# Altium PCB 控制盒基板.PcbDoc (part 8 of 8)
Units mil, origin at the board's own origin, x right, y up, seen from the top; angles counter-clockwise.
Board outline 12046.02 x 6189.14 mil, 4 copper layers (Top Layer, SGND, POWER, Bottom Layer); 368 components, 219 nets, 1110 pads, 351 vias.
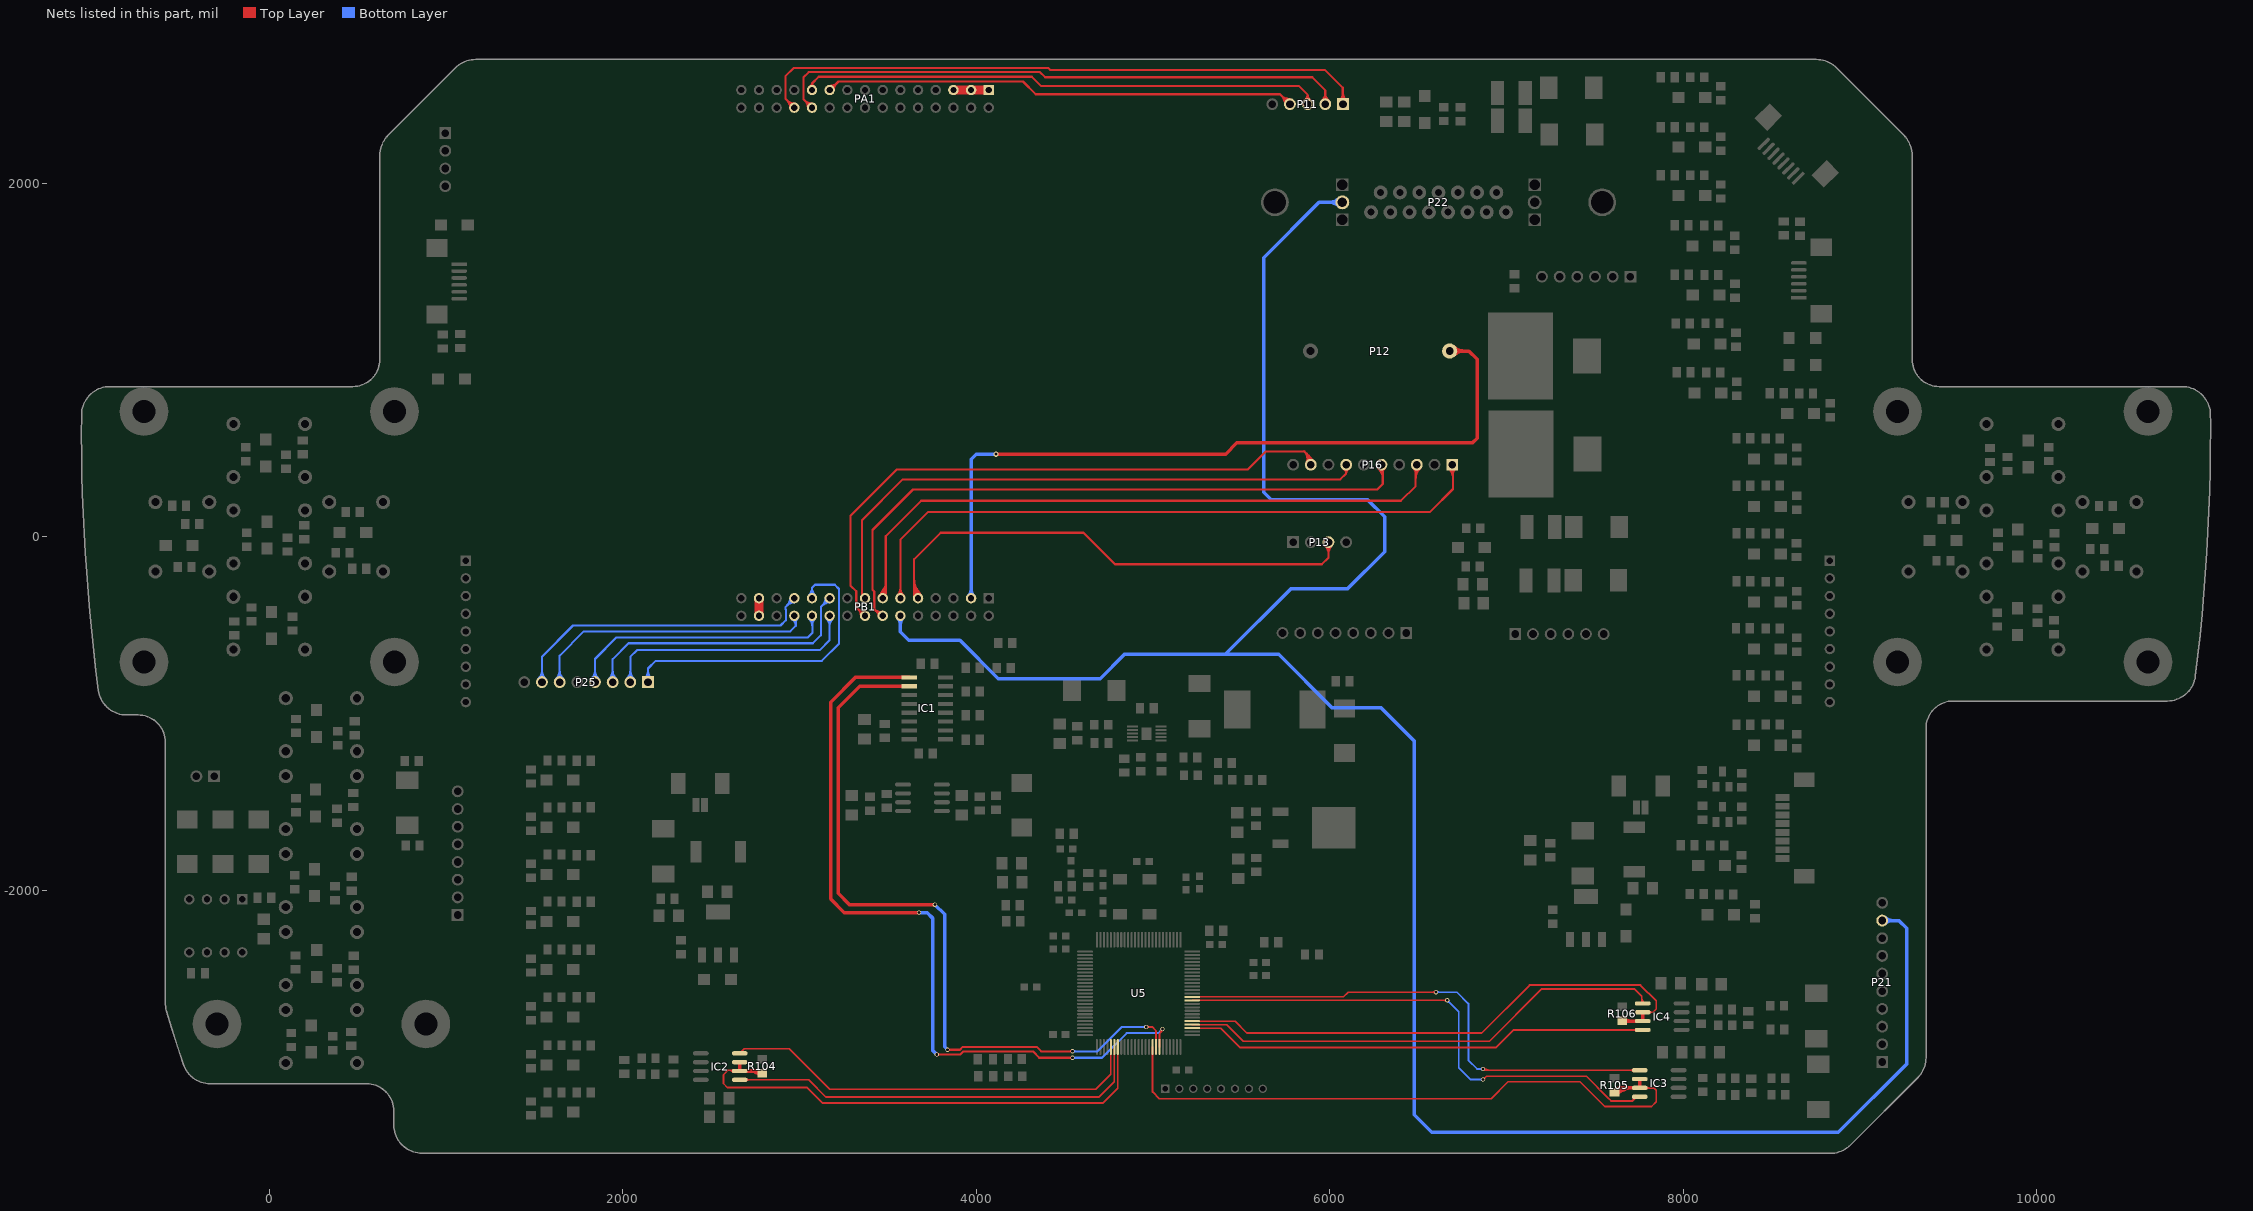
[diagram p10: the nets of this part, all layers, seen from the top]

## Via types
v1: diameter 30, hole 16, Top Layer to Bottom Layer, tented both sides, 209 vias
v2: diameter 24, hole 16, Top Layer to Bottom Layer, tented both sides, 75 vias
v3: diameter 30, hole 18, Top Layer to Bottom Layer, tented both sides, 57 vias
v4: diameter 28, hole 18, Top Layer to Bottom Layer, tented both sides, 10 vias

## Nets (pads, with @x,y where several pads share a name; then routed paths per layer and width w, separated by ;. In a path a pad name is that pad's centre, name@x,y a point inside that pad or via, vN(x,y) a via of type N, cw(c..) or ccw(c..) an arc to the next point about the centre after c; other vN are vias at no path point) (continued)
TV_OUT1: P21.9 P22.18 PB1.12 | length 13925
  Bottom Layer w20: PB1.12@3571,-447 3571,-537 3619,-585 3908,-585 4125,-802 4702,-802 4839,-665 5409,-665 ; P22.18@6071.57,1892.66 5939.66,1892.66 5626,1579 5626,253 5669,210 6214,210 6311,113 6311,-84 6100,-295 5779,-295 5409,-665 ; P21.9@9126,-2171 9220,-2171 9264,-2215 9264,-2983 8878,-3369 6578,-3369 6478,-3269 6478,-1155 6289,-966 6012,-966 5711,-665 5409,-665 ; 3571,-494.14 ccw(c3523.86,-494.14) 3557.19,-460.81 cw(c3523.86,-494.14) 3571,-494.14 ; 3571,-494.14 cw(c3618.14,-494.14) 3584.81,-460.81 ccw(c3618.14,-494.14) 3571,-494.14 ; 6000.66,1892.66 ccw(c6000.66,1963.57) 6050.8,1913.43 cw(c6000.66,1963.57) 6000.66,1892.66 ; 6000.66,1892.66 cw(c6000.66,1821.76) 6050.8,1871.89 ccw(c6000.66,1821.76) 6000.66,1892.66 ; 9182.65,-2171 ccw(c9182.65,-2227.65) 9142.59,-2187.59 cw(c9182.65,-2227.65) 9182.65,-2171 ; 9182.65,-2171 cw(c9182.65,-2114.35) 9142.59,-2154.41 ccw(c9182.65,-2114.35) 9182.65,-2171
TV_OUT2: P13.3 PB1.9 | length 3950.1
  Top Layer w12: PB1.9@3650.46,-335.52 ccw(c3642.77,-331.23) 3649,-325 ; PB1.9@3651.04,-334.55 ccw(c3634.05,-323.95) 3651.39,-313.95 ccw(c3668.07,-304.32) PB1.9@3669.39,-323.53 ; PB1.9@3652.88,-331.99 ccw(c3630.06,-313.09) 3655.72,-298.27 ; PB1.9@3657.47,-327.75 ccw(c3643.39,-307.72) 3663.84,-294.25 ; PB1.9@3659.52,-326.46 cw(c3655.23,-318.77) 3649,-325 ; PB1.9@3662.12,-339.65 ccw(c3644.23,-324.83) 3664.35,-313.21 ; PB1.9@3664.37,-337.57 ccw(c3650.51,-317.84) 3670.64,-304.57 ; 3665.68,-315.52 ccw(c3681.95,-306.13) PB1.9@3677.09,-324.27 ; PB1.9@3671,-347 3649,-325 ; PB1.9@3671.27,-347.39 ccw(c3657.62,-327.96) 3677.45,-314.9 ; P13.3@5992.87,-30 5992.87,-118.13 5956,-155 4785,-155 4607,23 3799,23 3649,-127 3649,-325 ; 5992.87,-96.31 ccw(c5926.57,-96.31) 5973.45,-49.42 cw(c5926.57,-96.31) 5992.87,-96.31 ; 5992.87,-96.31 cw(c6059.18,-96.31) 6012.29,-49.42 ccw(c6059.18,-96.31) 5992.87,-96.31 ; 5992.87,-67.33 ccw(c5955.54,-67.33) 5981.94,-40.94 cw(c5955.54,-67.33) 5992.87,-67.33 ; 5992.87,-67.33 cw(c6030.21,-67.33) 6003.81,-40.94 ccw(c6030.21,-67.33) 5992.87,-67.33 ; 3649,-324 ccw(c3694,-324) 3662.18,-355.82 cw(c3694,-324) 3649,-324 ; 3649,-295.03 ccw(c3722.97,-295.03) 3670.67,-347.33 cw(c3722.97,-295.03) 3649,-295.03 ; 3649,-266.06 ccw(c3751.94,-266.06) 3679.15,-338.85 cw(c3751.94,-266.06) 3649,-266.06 ; 3649,-237.09 ccw(c3780.92,-237.09) 3687.64,-330.36 cw(c3780.92,-237.09) 3649,-237.09
UART1_R: IC1.9 U5.69 | length 4682
  Top Layer w10: U5.69@5037.11,-2886.15 5037.11,-2810.89 ; v2@5047.01,-2785.33 cw(c5013.13,-2786.91) 5037.11,-2810.89 ; v2(5054,-2785) 5054,-2794 5037.11,-2810.89
  Top Layer w12: v2(3777,-2929) 3909.28,-2929 3926.28,-2912 4322,-2912 4357,-2947 v2(4545,-2947) ; 3791.49,-2929 ccw(c3791.49,-2943.49) 3781.24,-2933.24 cw(c3791.49,-2943.49) 3791.49,-2929 ; 3791.49,-2929 cw(c3791.49,-2914.51) 3781.24,-2924.76 ccw(c3791.49,-2914.51) 3791.49,-2929 ; 4530.51,-2947 ccw(c4530.51,-2932.51) 4540.76,-2942.76 cw(c4530.51,-2932.51) 4530.51,-2947 ; 4530.51,-2947 cw(c4530.51,-2961.49) 4540.76,-2951.24 ccw(c4530.51,-2961.49) 4530.51,-2947
  Top Layer w20: IC1.9@3621.64,-795 3317,-795 3176,-936 3176,-2049 3253,-2126 3634,-2126 v2(3677,-2126)
  Bottom Layer w12: v2(4545,-2947) 4712,-2947 4851,-2808 5031,-2808 v2(5054,-2785) ; v2@5048,-2785 cw(c5033.51,-2785) 5043.76,-2795.24 cw(c5054,-2805.49) v2@5054,-2791 ; 4559.49,-2947 ccw(c4559.49,-2961.49) 4549.24,-2951.24 cw(c4559.49,-2961.49) 4559.49,-2947 ; 4559.49,-2947 cw(c4559.49,-2932.51) 4549.24,-2942.76 ccw(c4559.49,-2932.51) 4559.49,-2947
  Bottom Layer w20: v2(3677,-2126) 3722,-2126 3753,-2157 3753,-2905 v2(3777,-2929)
UART1_T: IC1.10 U5.68 | length 4517.6
  Top Layer w10: v2@4961,-2772 v2(4962,-2773) 4995,-2773 5017.42,-2795.42 U5.68@5017.42,-2886.15 ; 4978.9,-2773 ccw(c4978.9,-2789.9) 4966.95,-2777.95 cw(c4978.9,-2789.9) 4978.9,-2773 ; 4978.9,-2773 cw(c4978.9,-2756.1) 4966.95,-2768.05 ccw(c4978.9,-2756.1) 4978.9,-2773
  Top Layer w12: v2(3837,-2902) 3908,-2902 3924,-2886 4342,-2886 4367,-2911 v2(4545,-2911) ; 3851.49,-2902 ccw(c3851.49,-2916.49) 3841.24,-2906.24 cw(c3851.49,-2916.49) 3851.49,-2902 ; 3851.49,-2902 cw(c3851.49,-2887.51) 3841.24,-2897.76 ccw(c3851.49,-2887.51) 3851.49,-2902 ; 4530.51,-2911 ccw(c4530.51,-2896.51) 4540.76,-2906.76 cw(c4530.51,-2896.51) 4530.51,-2911 ; 4530.51,-2911 cw(c4530.51,-2925.49) 4540.76,-2915.24 ccw(c4530.51,-2925.49) 4530.51,-2911
  Top Layer w20: IC1.10@3621.64,-845 3342,-845 3219,-968 3219,-2017 3283,-2081 v2(3766,-2081)
  Bottom Layer w12: v2(4545,-2911) 4686,-2911 4824,-2773 v2(4962,-2773) ; 4559.49,-2911 ccw(c4559.49,-2925.49) 4549.24,-2915.24 cw(c4559.49,-2925.49) 4559.49,-2911 ; 4559.49,-2911 cw(c4559.49,-2896.51) 4549.24,-2906.76 ccw(c4559.49,-2896.51) 4559.49,-2911 ; 4947.51,-2773 ccw(c4947.51,-2758.51) 4957.76,-2768.76 cw(c4947.51,-2758.51) 4947.51,-2773 ; 4947.51,-2773 cw(c4947.51,-2787.49) 4957.76,-2777.24 ccw(c4947.51,-2787.49) 4947.51,-2773
  Bottom Layer w20: v2(3766,-2081) 3821,-2136 3821,-2886 v2(3837,-2902)
UART2_E: IC2.2 IC2.3 R104.1 U5.57 | length 3088.7
  Top Layer w10: 2613.29,-3021.03 ccw(c2616.91,-3014.75) IC2.2@2623.06,-3018.59 ; IC2.2@2662,-3022.29 2657.71,-3018 2595,-3018 2570,-3043 2570,-3093 2593,-3116 3012,-3116 3043,-3116 3131,-3204 4717,-3204 4800.89,-3120.11 U5.57@4800.89,-2886.15 ; 2601.74,-3018 cw(c2601.74,-3049.55) 2624.05,-3027.24 ccw(c2601.74,-3049.55) 2601.74,-3018
  Top Layer w20: IC2.3@2662,-2972.29 IC2.2@2662,-3022.29 2777.96,-3022.29 R104.1@2790.04,-3034.37 ; 2749.82,-3028.62 ccw(c2760.68,-3009.79) R104.1@2776.31,-3024.9 ; 2724.05,-3022.29 cw(c2724.05,-3096.42) 2776.47,-3044 ccw(c2724.05,-3096.42) 2724.05,-3022.29
UART2_R: IC2.1 U5.56 | length 2445.5
  Top Layer w10: IC2.1@2662,-3072.29 3052.29,-3072.29 3150,-3170 4694,-3170 4781.2,-3082.8 U5.56@4781.2,-2886.15 ; 2711.9,-3072.29 ccw(c2711.9,-3089.19) 2699.95,-3077.24 cw(c2711.9,-3089.19) 2711.9,-3072.29 ; 2711.9,-3072.29 cw(c2711.9,-3055.39) 2699.95,-3067.34 ccw(c2711.9,-3055.39) 2711.9,-3072.29
UART2_T: IC2.4 U5.55 | length 2395.2
  Top Layer w10: IC2.4@2662,-2922.29 2688,-2896.29 2688.71,-2897 2942,-2897 3171,-3126 4676,-3126 4761.52,-3040.48 U5.55@4761.52,-2886.15
UART3_E: IC3.2 IC3.3 R105.1 U5.67 | length 4109.4
  Top Layer w10: U5.67@4997.74,-2886.15 4997.74,-3140.74 5036,-3179 6913,-3179 7009,-3083 7416,-3083 7556,-3223 7821,-3223 7847,-3197 7847,-3131 7833.71,-3117.71 IC3.3@7754.04,-3117.71 ; 7803.94,-3117.71 ccw(c7803.94,-3134.61) 7791.99,-3122.66 cw(c7803.94,-3134.61) 7803.94,-3117.71 ; 7803.94,-3117.71 cw(c7803.94,-3100.81) 7791.99,-3112.76 ccw(c7803.94,-3100.81) 7803.94,-3117.71
  Top Layer w20: R105.1@7612,-3142.37 7636.66,-3117.71 ; R105.1@7620.75,-3129.63 ccw(c7641.76,-3074.02) 7671.48,-3125.5 ; R105.1@7629.52,-3143.42 cw(c7661.27,-3145.86) 7645.35,-3118.28 ; IC3.2@7754.04,-3067.71 IC3.3@7754.04,-3117.71 7636.66,-3117.71 ; 7636.66,-3117.71 ccw(c7655.03,-3136.07) 7629.39,-3140.2 cw(c7655.03,-3136.07) 7636.66,-3117.71 ; R105.1@7611.43,-3137.86 cw(c7660.08,-3186.51) 7660.08,-3117.71 ccw(c7660.08,-3186.51) R105.1@7611.43,-3137.86 ; R105.1@7615.94,-3128.75 ccw(c7615.94,-3105.37) 7632.47,-3121.9 cw(c7615.94,-3105.37) R105.1@7615.94,-3128.75 ; R105.1@7625.57,-3152 cw(c7708.36,-3234.8) 7708.36,-3117.71 ccw(c7708.36,-3234.8) R105.1@7625.57,-3152
UART3_R: IC3.1 U5.87 | length 3204.5
  Top Layer w10: U5.87@5222.15,-2602.68 6078.32,-2602.68 6104.93,-2576.07 v2(6601,-2576.07) ; v2(6868,-3011) 6874.71,-3017.71 IC3.1@7754.04,-3017.71 ; v2@6872.8,-3016.1 cw(c6881.25,-3025.08) 6887.41,-3014.4 ; 6584.1,-2576.07 ccw(c6584.1,-2559.17) 6596.05,-2571.12 cw(c6584.1,-2559.17) 6584.1,-2576.07 ; 6584.1,-2576.07 cw(c6584.1,-2592.97) 6596.05,-2581.02 ccw(c6584.1,-2592.97) 6584.1,-2576.07 ; 7704.14,-3017.71 ccw(c7704.14,-3000.81) 7716.09,-3012.76 cw(c7704.14,-3000.81) 7704.14,-3017.71 ; 7704.14,-3017.71 cw(c7704.14,-3034.61) 7716.09,-3022.66 ccw(c7704.14,-3034.61) 7704.14,-3017.71 ; v2@6872.95,-3006.05 ccw(c6901.09,-2977.9) 6901.09,-3017.71 cw(c6901.09,-2977.9) v2@6872.95,-3006.05
  Bottom Layer w10: v2(6601,-2576.07) 6720.07,-2576.07 6785,-2641 6785,-2962 6834,-3011 v2(6868,-3011) ; 6617.9,-2576.07 ccw(c6617.9,-2592.97) 6605.95,-2581.02 cw(c6617.9,-2592.97) 6617.9,-2576.07 ; 6617.9,-2576.07 cw(c6617.9,-2559.17) 6605.95,-2571.12 ccw(c6617.9,-2559.17) 6617.9,-2576.07 ; 6851.1,-3011 ccw(c6851.1,-2994.1) 6863.05,-3006.05 cw(c6851.1,-2994.1) 6851.1,-3011 ; 6851.1,-3011 cw(c6851.1,-3027.9) 6863.05,-3015.95 ccw(c6851.1,-3027.9) 6851.1,-3011
UART3_T: IC3.4 U5.86 | length 3229
  Top Layer w10: U5.86@5222.15,-2622.37 v2(6664.63,-2622.37) ; v2(6868,-3071) 6887,-3052 7453,-3052 7571.44,-3170.44 7571.44,-3171.38 7592.06,-3192 7713,-3192 ; v2@6868,-3064 ccw(c6868,-3047.1) 6879.95,-3059.05 ccw(c6891.9,-3071) v2@6875,-3071 ; IC3.4@7715.16,-3171.51 cw(c7701.42,-3180.42) 7713,-3192 ; 7721.74,-3183.26 ccw(c7712.03,-3173.55) IC3.4@7723.56,-3166.08 ; IC3.4@7730.48,-3174.52 ccw(c7722.64,-3166.67) IC3.4@7731.95,-3160.64 ; IC3.4@7754.04,-3173.96 IC3.4@7754.04,-3167.71 7737.29,-3167.71 7713,-3192 ; 6647.73,-2622.37 ccw(c6647.73,-2605.47) 6659.68,-2617.42 cw(c6647.73,-2605.47) 6647.73,-2622.37 ; 6647.73,-2622.37 cw(c6647.73,-2639.27) 6659.68,-2627.32 ccw(c6647.73,-2639.27) 6647.73,-2622.37
  Bottom Layer w10: v2(6664.63,-2622.37) 6730,-2687.74 6730,-3005 6797,-3072 6798,-3071 v2(6868,-3071) ; 6676.58,-2634.32 ccw(c6664.63,-2646.27) 6664.63,-2629.37 cw(c6664.63,-2646.27) 6676.58,-2634.32 ; 6676.58,-2634.32 cw(c6688.53,-2622.37) 6671.63,-2622.37 ccw(c6688.53,-2622.37) 6676.58,-2634.32 ; 6851.1,-3071 ccw(c6851.1,-3054.1) 6863.05,-3066.05 cw(c6851.1,-3054.1) 6851.1,-3071 ; 6851.1,-3071 cw(c6851.1,-3087.9) 6863.05,-3075.95 ccw(c6851.1,-3087.9) 6851.1,-3071
UART4_E: IC4.2 IC4.3 R106.1 U5.80 | length 3255.9
  Top Layer w10: U5.80@5222.15,-2740.48 5223.08,-2741.41 5465.41,-2741.41 5532,-2808 6859,-2808 7131,-2536 7758,-2536 7847,-2625 7847,-2671.71 7829,-2689.71 IC4.2@7771.04,-2689.71 ; 7820.94,-2689.71 ccw(c7820.94,-2706.61) 7808.99,-2694.66 cw(c7820.94,-2706.61) 7820.94,-2689.71 ; 7820.94,-2689.71 cw(c7820.94,-2672.81) 7808.99,-2684.76 ccw(c7820.94,-2672.81) 7820.94,-2689.71
  Top Layer w20: R106.1@7655,-2737.37 7657.34,-2739.71 IC4.3@7771.04,-2739.71 IC4.2@7771.04,-2689.71 ; R106.1@7668.57,-2747 cw(c7686.18,-2764.61) 7686.18,-2739.71 ccw(c7686.18,-2764.61) R106.1@7668.57,-2747 ; R106.1@7668.57,-2727.74 ccw(c7697.47,-2698.84) 7697.47,-2739.71 cw(c7697.47,-2698.84) R106.1@7668.57,-2727.74
UART4_R: IC4.1 U5.79 | length 2831.8
  Top Layer w10: U5.79@5222.98,-2761 U5.79@5222.15,-2760.16 5417.16,-2760.16 5511,-2854 6904,-2854 7200,-2558 7724,-2558 7766,-2600 7766,-2634.67 IC4.1@7771.04,-2639.71 ; IC4.1@7766.82,-2634.12 ccw(c7761.6,-2627.19) 7769.11,-2622.85 ; 7766,-2610.64 ccw(c7800.1,-2610.64) 7775.99,-2634.76 cw(c7800.1,-2610.64) 7766,-2610.64
UART4_T: IC4.4 U5.78 | length 2690.5
  Top Layer w10: U5.78@5223.08,-2780.78 U5.78@5222.15,-2779.85 5383.85,-2779.85 5494,-2890 6940,-2890 7040.29,-2789.71 IC4.4@7771.04,-2789.71 ; 7721.14,-2789.71 ccw(c7721.14,-2772.81) 7733.09,-2784.76 cw(c7721.14,-2772.81) 7721.14,-2789.71 ; 7721.14,-2789.71 cw(c7721.14,-2806.61) 7733.09,-2794.66 ccw(c7721.14,-2806.61) 7721.14,-2789.71
USB_0_DM: P25.2 PB1.20 | length 2001.1
  Bottom Layer w12: P25.2@2043,-822 2043,-679 2081,-641 3115,-641 3170,-586 3170,-448 PB1.20@3171,-447 ; 2043,-784.67 ccw(c2080.34,-784.67) 2053.94,-811.07 cw(c2080.34,-784.67) 2043,-784.67 ; 2043,-784.67 cw(c2005.67,-784.67) 2032.07,-811.07 ccw(c2005.67,-784.67) 2043,-784.67 ; 2043,-755.7 ccw(c2109.31,-755.7) 2062.42,-802.58 cw(c2109.31,-755.7) 2043,-755.7 ; 2043,-755.7 cw(c1976.7,-755.7) 2023.58,-802.58 ccw(c1976.7,-755.7) 2043,-755.7 ; PB1.20@3154.36,-463.64 cw(c3116.62,-501.39) 3170,-501.39 ccw(c3116.62,-501.39) PB1.20@3154.36,-463.64 ; 3170,-506.22 cw(c3230.22,-506.22) 3187.64,-463.64 ccw(c3230.22,-506.22) 3170,-506.22 ; 3170,-477.25 cw(c3201.25,-477.25) 3179.15,-455.15 ccw(c3201.25,-477.25) 3170,-477.25
USB_0_DP: P25.3 PB1.19 | length 2188.9
  Bottom Layer w12: P25.3@1943,-822 1943,-692 2033,-602 3076,-602 3121,-557 3121,-397 PB1.19@3171,-347 ; 3139.73,-375.9 cw(c3179.08,-386.45) PB1.19@3170.91,-346.54 ; 3142.1,-378.27 ccw(c3131.55,-338.92) PB1.19@3171.46,-347.1 ; 1943,-784.67 ccw(c1980.34,-784.67) 1953.94,-811.07 cw(c1980.34,-784.67) 1943,-784.67 ; 1943,-784.67 cw(c1905.67,-784.67) 1932.07,-811.07 ccw(c1905.67,-784.67) 1943,-784.67 ; 1943,-755.7 ccw(c2009.31,-755.7) 1962.42,-802.58 cw(c2009.31,-755.7) 1943,-755.7 ; 1943,-755.7 cw(c1876.7,-755.7) 1923.58,-802.58 ccw(c1876.7,-755.7) 1943,-755.7 ; 3130.84,-387.16 ccw(c3090.67,-347) 3147.47,-347 cw(c3090.67,-347) 3130.84,-387.16 ; 3130.84,-387.16 cw(c3171,-427.33) 3171,-370.53 ccw(c3171,-427.33) 3130.84,-387.16
USB_0_ID: P25.4 PB1.22 | length 2078.2
  Bottom Layer w12: P25.4@1843,-822 1843,-691 1965,-569 3048,-569 3073,-544 3073,-449 PB1.22@3071,-447 ; 1843,-784.67 ccw(c1880.34,-784.67) 1853.94,-811.07 cw(c1880.34,-784.67) 1843,-784.67 ; 1843,-784.67 cw(c1805.67,-784.67) 1832.07,-811.07 ccw(c1805.67,-784.67) 1843,-784.67 ; 1843,-755.7 ccw(c1909.31,-755.7) 1862.42,-802.58 cw(c1909.31,-755.7) 1843,-755.7 ; 1843,-755.7 cw(c1776.7,-755.7) 1823.58,-802.58 ccw(c1776.7,-755.7) 1843,-755.7 ; PB1.22@3054.36,-463.64 cw(c3009.37,-508.63) 3073,-508.63 ccw(c3009.37,-508.63) PB1.22@3054.36,-463.64 ; PB1.22@3062.85,-455.15 cw(c3038.34,-479.66) 3073,-479.66 ccw(c3038.34,-479.66) PB1.22@3062.85,-455.15 ; 3073,-498.97 cw(c3122.97,-498.97) 3087.64,-463.64 ccw(c3122.97,-498.97) 3073,-498.97
USB_0_VBUS: P25.1 PB1.21 | length 2259
  Bottom Layer w12: P25.1@2143,-822 2143,-745 2186,-702 3127,-702 3224,-605 3224,-375 3224,-295 3200,-271 3182,-271 3088,-271 3071,-288 PB1.21@3071,-347 ; 2143,-784.67 ccw(c2180.34,-784.67) 2153.94,-811.07 cw(c2180.34,-784.67) 2143,-784.67 ; 2143,-784.67 cw(c2105.67,-784.67) 2132.07,-811.07 ccw(c2105.67,-784.67) 2143,-784.67 ; 2143,-755.7 ccw(c2209.31,-755.7) 2162.42,-802.58 cw(c2209.31,-755.7) 2143,-755.7 ; 2143,-755.7 cw(c2076.7,-755.7) 2123.58,-802.58 ccw(c2076.7,-755.7) 2143,-755.7 ; 3071,-290.2 ccw(c3127.8,-290.2) 3087.64,-330.36 cw(c3127.8,-290.2) 3071,-290.2 ; 3071,-290.2 cw(c3014.2,-290.2) 3054.36,-330.36 ccw(c3014.2,-290.2) 3071,-290.2
USB_1_DM: P25.6 PB1.24 | length 2146.3
  Bottom Layer w12: P25.6@1643,-822 1643,-672 1780,-535 2948,-535 2979,-504 2979,-455 PB1.24@2971,-447 PB1.24@2966,-452 ; 1643,-784.67 ccw(c1680.34,-784.67) 1653.94,-811.07 cw(c1680.34,-784.67) 1643,-784.67 ; 1643,-784.67 cw(c1605.67,-784.67) 1632.07,-811.07 ccw(c1605.67,-784.67) 1643,-784.67 ; 1643,-755.7 ccw(c1709.31,-755.7) 1662.42,-802.58 cw(c1709.31,-755.7) 1643,-755.7 ; 1643,-755.7 cw(c1576.7,-755.7) 1623.58,-802.58 ccw(c1576.7,-755.7) 1643,-755.7 ; PB1.24@2958.33,-466.83 cw(c2934.23,-504.56) 2979,-504.56 ccw(c2934.23,-504.56) PB1.24@2958.33,-466.83 ; PB1.24@2964.79,-456.71 cw(c2948.22,-482.65) 2979,-482.65 ccw(c2948.22,-482.65) PB1.24@2964.79,-456.71 ; 2979,-484.49 cw(c3008.49,-484.49) 2987.64,-463.64 ccw(c3008.49,-484.49) 2979,-484.49
USB_1_DP: P25.7 PB1.23 | length 2349.3
  Bottom Layer w12: P25.7@1543,-822 1543,-678 1719,-502 2893,-502 2923,-472 2923,-457 2923,-412 2922,-411 2922,-396 PB1.23@2971,-347 ; 2939.73,-375.9 cw(c2979.08,-386.45) PB1.23@2970.91,-346.54 ; 2942.1,-378.27 ccw(c2931.55,-338.92) PB1.23@2971.46,-347.1 ; 1543,-784.67 ccw(c1580.34,-784.67) 1553.94,-811.07 cw(c1580.34,-784.67) 1543,-784.67 ; 1543,-784.67 cw(c1505.67,-784.67) 1532.07,-811.07 ccw(c1505.67,-784.67) 1543,-784.67 ; 1543,-755.7 ccw(c1609.31,-755.7) 1562.42,-802.58 cw(c1609.31,-755.7) 1543,-755.7 ; 1543,-755.7 cw(c1476.7,-755.7) 1523.58,-802.58 ccw(c1476.7,-755.7) 1543,-755.7 ; 2930.84,-387.16 ccw(c2890.67,-347) 2947.47,-347 cw(c2890.67,-347) 2930.84,-387.16 ; 2930.84,-387.16 cw(c2971,-427.33) 2971,-370.53 ccw(c2971,-427.33) 2930.84,-387.16
VBAT: P12.1 PB1.3 | length 4723.2
  Top Layer w20: v1(4112,468) 5411,468 5475,532 6808,532 6834,558 6834,1005 6788,1051 P12.1@6678.7,1051 ; 6759.11,1051 ccw(c6759.11,970.59) 6702.25,1027.45 cw(c6759.11,970.59) 6759.11,1051 ; 6759.11,1051 cw(c6759.11,1131.41) 6702.25,1074.55 ccw(c6759.11,1131.41) 6759.11,1051
  Bottom Layer w20: PB1.3@3971,-347 3971,439 4000,468 v1(4112,468) v1@4114,470 ; 3971,-299.86 ccw(c4018.14,-299.86) 3984.81,-333.19 cw(c4018.14,-299.86) 3971,-299.86 ; 3971,-299.86 cw(c3923.86,-299.86) 3957.19,-333.19 ccw(c3923.86,-299.86) 3971,-299.86
VCC_3V3: PA1.1 PA1.3 PA1.5 | length 200
  Top Layer w50: PA1.5@3871,2528 PA1.3@3971,2528 PA1.1@4071,2528
VCC_5V0: PB1.27 PB1.28 | length 100
  Top Layer w50: PB1.28@2771,-447 PB1.27@2771,-347
VGA_B: P16.5 PB1.14 | length 4158.3
  Top Layer w12: 3428.5,-415.5 ccw(c3453.85,-390.15) PB1.14@3464.21,-424.48 ; 3439.29,-426.29 ccw(c3463.12,-402.46) PB1.14@3468.99,-435.65 ; 3442.68,-429.68 ccw(c3460.43,-411.94) PB1.14@3467.67,-435.96 ; 3445.55,-425.06 cw(c3447.03,-472.51) PB1.14@3479.54,-437.91 ; PB1.14@3466.9,-423.83 cw(c3458.23,-374.77) 3423,-410 ; PB1.14@3471,-447 3460,-447 3423,-410 ; P16.5@6293,408 6300,401 6300,299 6269,268 3642,268 3413,39 3413,-243 3413,-299 3423,-309 3423,-410 ; 3438.61,-425.61 cw(c3417.23,-447) 3447.47,-447 ccw(c3417.23,-447) 3438.61,-425.61 ; P16.5@6273.58,388.58 cw(c6209.8,324.8) 6300,324.8 ccw(c6209.8,324.8) P16.5@6273.58,388.58 ; P16.5@6282.07,397.06 cw(c6238.77,353.77) 6300,353.77 ccw(c6238.77,353.77) P16.5@6282.07,397.06 ; 6300,358.59 cw(c6342.41,358.59) 6312.42,388.58 ccw(c6342.41,358.59) 6300,358.59
VGA_G: P16.3 PB1.13 | length 4482.8
  Top Layer w12: 3463.41,-315.69 ccw(c3483.11,-327.84) PB1.13@3470.75,-347.4 ; PB1.13@3464.91,-324.27 ccw(c3460.05,-306.13) 3476.32,-315.52 ; 3469.78,-305.36 ccw(c3489.59,-317.58) PB1.13@3477.16,-337.26 ; PB1.13@3471,-347 3471,-336 3488,-319 ; PB1.13@3474.14,-323.68 ccw(c3476.34,-307.34) 3488,-319 ; 3476.15,-295.03 ccw(c3496.08,-307.32) PB1.13@3483.57,-327.11 ; 3481.86,-305.92 ccw(c3497.5,-314.95) PB1.13@3485.99,-328.87 ; PB1.13@3487.9,-330.64 cw(c3493.86,-324.87) 3488,-319 ; P16.3@6493,408 6486,401 6486,287 6403,204 3689,204 3488,3 3488,-319 ; PB1.13@3454.36,-330.36 ccw(c3373.16,-249.16) 3488,-249.16 cw(c3373.16,-249.16) PB1.13@3454.36,-330.36 ; PB1.13@3462.85,-338.85 ccw(c3402.13,-278.13) 3488,-278.13 cw(c3402.13,-278.13) PB1.13@3462.85,-338.85 ; PB1.13@3471.33,-347.33 ccw(c3431.1,-307.1) 3488,-307.1 cw(c3431.1,-307.1) PB1.13@3471.33,-347.33 ; P16.3@6473.58,388.58 cw(c6443.6,358.6) 6486,358.6 ccw(c6443.6,358.6) P16.3@6473.58,388.58 ; 6486,324.79 cw(c6576.21,324.79) 6512.42,388.58 ccw(c6576.21,324.79) 6486,324.79 ; 6486,353.76 cw(c6547.24,353.76) 6503.94,397.06 ccw(c6547.24,353.76) 6486,353.76
VGA_HSYNC: P16.7 PB1.15 | length 3478.3
  Top Layer w12: PB1.15@3371,-347 3354,-330 3354,94 3585,325 6060,325 6093,358 ; P16.7@6096,405 P16.7@6093,408 6093,358 ; 6093,358 ccw(c6061.23,358) 6078.27,384.82 cw(c6061.23,358) 6093,358 ; 6093,358 cw(c6124.78,358) 6107.73,384.82 ccw(c6124.78,358) 6093,358
VGA_R: P16.1 PB1.11 | length 4187.6
  Top Layer w12: PB1.11@3571,-347 3571,-17 3729,141 6568,141 6698,271 6698,403 P16.1@6693,408 ; 3571,-290.2 ccw(c3627.8,-290.2) 3587.64,-330.36 cw(c3627.8,-290.2) 3571,-290.2 ; 3571,-290.2 cw(c3514.2,-290.2) 3554.36,-330.36 ccw(c3514.2,-290.2) 3571,-290.2 ; P16.1@6673.58,388.58 cw(c6614.63,329.62) 6698,329.62 ccw(c6614.63,329.62) P16.1@6673.58,388.58 ; P16.1@6682.07,397.06 cw(c6643.6,358.6) 6698,358.6 ccw(c6643.6,358.6) P16.1@6682.07,397.06 ; 6698,353.76 cw(c6747.24,353.76) 6712.42,388.58 ccw(c6747.24,353.76) 6698,353.76
VGA_VSYNC: P16.9 PB1.16 | length 4224.4
  Top Layer w12: 3339.73,-418.1 ccw(c3379.08,-407.55) PB1.16@3370.91,-447.46 ; 3342.1,-415.73 cw(c3331.55,-455.08) PB1.16@3371.46,-446.91 ; PB1.16@3371,-447 3321,-397 3321,-308 3288,-275 3288,118 3551,381 5537,381 5639,483 5857,483 ; 5853.85,486.15 cw(c5793.07,425.36) P16.9@5877.76,410.65 ; P16.9@5868.13,419.64 ccw(c5817.39,443.39) 5857,483 ; 5869.1,470.9 cw(c5833.88,435.67) P16.9@5878.99,414.56 ; 5870.21,469.8 cw(c5820.93,420.52) P16.9@5889.59,408.59 ; P16.9@5871.92,425.6 ccw(c5860.17,435.41) 5875.41,436.78 ; 5874.14,450.91 ccw(c5933.26,456.23) P16.9@5895.22,410.66 ; 5881.2,458.8 cw(c5850.36,427.96) P16.9@5889.86,409.47 ; P16.9@5883.75,433.86 ccw(c5879.04,447) 5893,447 ; 5886.56,453.44 cw(c5848.79,415.68) P16.9@5901.41,406.54 ; 5886.63,441.39 ccw(c5910.89,443.57) P16.9@5899.95,421.82 ; P16.9@5893,408 5893,447 ; 5893.3,446.7 cw(c5866.84,420.24) P16.9@5900.73,404.38 ; P16.9@5902.25,433.86 cw(c5906.96,447) 5893,447 ; 3330.84,-406.84 ccw(c3371,-366.67) 3371,-423.47 cw(c3371,-366.67) 3330.84,-406.84 ; 3330.84,-406.84 cw(c3290.67,-447) 3347.47,-447 ccw(c3290.67,-447) 3330.84,-406.84 ; 5857,483 5893,447
X+: P11.1 PA1.24 | length 4105
  Top Layer w12: 2939.73,2456.9 ccw(c2979.08,2467.45) PA1.24@2970.91,2427.54 ; 2942.1,2459.27 cw(c2931.55,2419.92) PA1.24@2971.46,2428.09 ; PA1.24@2971,2428 2922,2477 2922,2608 2967,2653 4407,2653 4418,2642 5973,2642 6074,2541 6074,2449 P11.1@6075,2448 ; 2930.84,2468.16 ccw(c2971,2508.33) 2971,2451.53 cw(c2971,2508.33) 2930.84,2468.16 ; 2930.84,2468.16 cw(c2890.67,2428) 2947.47,2428 ccw(c2890.67,2428) 2930.84,2468.16 ; P11.1@6055.58,2467.42 ccw(c6011.11,2511.89) 6074,2511.89 cw(c6011.11,2511.89) P11.1@6055.58,2467.42 ; P11.1@6064.07,2458.93 ccw(c6040.08,2482.92) 6074,2482.92 cw(c6040.08,2482.92) P11.1@6064.07,2458.93 ; 6074,2487.75 ccw(c6114.75,2487.75) 6085.94,2458.93 cw(c6114.75,2487.75) 6074,2487.75 ; 6074,2516.72 ccw(c6143.72,2516.72) 6094.42,2467.42 cw(c6143.72,2516.72) 6074,2516.72
X-: P11.2 PA1.22 | length 3871.6
  Top Layer w12: 3039.73,2456.9 ccw(c3079.08,2467.45) PA1.22@3070.91,2427.54 ; 3042.1,2459.27 cw(c3031.55,2419.92) PA1.22@3071.46,2428.09 ; PA1.22@3071,2428 3022,2477 3022,2599 3052,2629 4361,2629 4390,2600 5901,2600 5975,2526 P11.2@5975,2448 ; 3030.84,2468.16 ccw(c3071,2508.33) 3071,2451.53 cw(c3071,2508.33) 3030.84,2468.16 ; 3030.84,2468.16 cw(c2990.67,2428) 3047.47,2428 ccw(c2990.67,2428) 3030.84,2468.16 ; 5975,2485.33 ccw(c6012.34,2485.33) 5985.94,2458.93 cw(c6012.34,2485.33) 5975,2485.33 ; 5975,2485.33 cw(c5937.67,2485.33) 5964.07,2458.93 ccw(c5937.67,2485.33) 5975,2485.33 ; 5975,2514.3 ccw(c6041.31,2514.3) 5994.42,2467.42 cw(c6041.31,2514.3) 5975,2514.3 ; 5975,2514.3 cw(c5908.7,2514.3) 5955.58,2467.42 ccw(c5908.7,2514.3) 5975,2514.3
Y+: P11.3 PA1.21 | length 3140
  Top Layer w12: PA1.21@3061.02,2549.31 ccw(c3053.67,2565) 3071,2565 ; PA1.21@3071,2528 3071,2565 ; PA1.21@3080.98,2549.31 cw(c3088.33,2565) 3071,2565 ; P11.3@5875,2448 5875,2502 ; 3071,2565 3109,2603 4315,2603 4368,2550 5827,2550 5875,2502 ; 5875,2502 ccw(c5914.35,2502) 5891.18,2470.2 cw(c5914.35,2502) 5875,2502 ; 5875,2502 cw(c5835.65,2502) 5858.83,2470.2 ccw(c5835.65,2502) 5875,2502
Y-: P11.4 PA1.19 | length 3413.4
  Top Layer w12: PA1.19@3170.54,2528.11 cw(c3212.12,2518.32) 3201.06,2559.58 ; PA1.19@3171,2528 3173,2528 3221,2576 4265,2576 4337,2504 5719,2504 P11.4@5775,2448 ; PA1.19@3171.08,2527.53 ccw(c3164.46,2565.79) 3201.96,2555.74 ; 5741.84,2469.26 ccw(c5781.53,2479.9) P11.4@5773.29,2439.64 ; 5753.74,2481.16 cw(c5743.11,2441.47) P11.4@5783.36,2449.71 ; 5728.12,2494.88 ccw(c5775,2541.77) 5775,2475.46 cw(c5775,2541.77) 5728.12,2494.88 ; 5728.12,2494.88 cw(c5681.23,2448) 5747.54,2448 ccw(c5681.23,2448) 5728.12,2494.88 ; 5748.6,2474.4 ccw(c5775,2500.8) 5775,2463.46 cw(c5775,2500.8) 5748.6,2474.4 ; 5748.6,2474.4 cw(c5722.2,2448) 5759.54,2448 ccw(c5722.2,2448) 5748.6,2474.4 ; PA1.19@3171,2539.53 ccw(c3171,2572.18) 3194.09,2549.09 cw(c3171,2572.18) PA1.19@3171,2539.53 ; PA1.19@3171,2551.53 ccw(c3171,2613.15) 3214.58,2569.58 cw(c3171,2613.15) PA1.19@3171,2551.53 ; PA1.19@3194.53,2528 cw(c3246.5,2528) 3209.75,2564.75 ccw(c3246.5,2528) PA1.19@3194.53,2528
pads on no net: IC1.11 IC1.12 IC1.13 IC1.14 J4.1 J5.1 J6.1 J7.1 J8.1 J9.1 J10.1 J12.1 J13.1 J14.1 P6.0 P8.9 P9.0 P10.0 P15.3 P15.4 P18.3 P18.4 P22.0 P22.7 P22.11 U3.1 U3.5 U3.7 U3.8 U5.6 U5.7 U5.8 U5.9 U5.13 U5.15 U5.18 U5.51 U5.52 U5.58 U5.59 U5.70 U5.71 U5.73 Y1.1

## Polygon pours and split planes (outlines as drawn)
SGND on Top Layer "Bottom Layer-No Net" (solid, remove dead copper, pour order 1000): 4803,-1763.84 4803,-2205 4911.91,-2205 5019.29,-2205 5040,-2205 5040,-1745 4803.77,-1745 4803,-1745 4803,-1763.84
SGND on Top Layer "Bottom Layer-No Net 1" (solid, remove dead copper, pour order 10): -1225,3138 -1225,-3796 -1273,-3844 11010,-3844 11216,-3638 11216,2868 11136,2948
SGND on Bottom Layer "Bottom Layer-No Net 1" (solid, remove dead copper, pour order 8): -1463,3324 -1333,3194 -1333,-3672 10958,-3672 11549,-3081 11304,-2836 11304,2906
SGND on SGND (split plane): 9275.28,2159.38 9275.27,2159.18 9275.26,2159.18 9275.28,2159.38
SGND on SGND (split plane): 9354.01,-1082.68 9354,-1082.68 9354.01,-1082.62
SGND on SGND (split plane): 565 vertices, not listed, extent -1042.4,-3468.24 10963.66,2680.83
+3.3V_S on POWER (split plane): 9235.3,2159.86 9235.27,2159.18 9235.26,2159.18 9235.3,2159.86
+3.3V_S on POWER (split plane): 538 vertices, not listed, extent -1002.4,-3428.23 10923.66,2640.82

## Keep-outs
Keep-Out Layer:
  lines w6: 982.87,-978.82 1045.86,-978.82 1045.86,-92.99 982.87,-92.99 982.87,-978.82 ; 8896.26,-978.82 8896.26,-92.99 8959.25,-92.99 8959.25,-978.82 8896.26,-978.82
  lines w8: 6299.21,2696.85 8753.67,2696.85 cw(c8753.67,2539.37) 8865.03,2650.73 9245.22,2270.54 cw(c9133.86,2159.18) 9291.34,2159.18 9291.34,1003.94 ccw(c9448.82,1003.94) 9448.82,846.46 10821.9,846.46 cw(c10821.9,688.98) 10979.37,690.07 cw(c-516.42,610.24) 10894.44,-786.86 cw(c10738.13,-767.72) 10738.13,-925.2 9527.56,-925.2 ccw(c9527.56,-1082.68) 9370.08,-1082.68 9370.08,-2946.58 cw(c9212.6,-2946.58) 9323.96,-3057.94 8943.77,-3438.13 cw(c8832.41,-3326.77) 8832.41,-3484.25 866.14,-3484.25 cw(c866.14,-3326.77) 708.66,-3326.77 708.66,-3248.03 ccw(c551.18,-3248.03) 551.18,-3090.55 -333.04,-3090.55 cw(c-333.04,-2933.07) -482.64,-2982.29 cw(c10437.68,610.24) -577.6,-2679.62 cw(c-426.71,-2634.55) -584.19,-2634.55 -584.19,-1161.42 ccw(c-741.67,-1161.42) -741.67,-1003.94 -806.94,-1003.94 cw(c-806.94,-846.46) -963.12,-866.69 cw(c10437.68,610.24) -1058.11,690.07 cw(c-900.63,688.98) -900.63,846.46 472.44,846.46 ccw(c472.44,1003.94) 629.92,1003.94 629.92,2159.18 cw(c787.4,2159.18) 676.05,2270.53 944.88,2539.37 1056.24,2650.73 cw(c1167.59,2539.37) 1167.59,2696.85 6310,2696.85

## Other copper
Top Layer:
  rectangle net BAT1_IN: 7001,-592 7190,135
  rectangle net BAT1_FIN: 7230,-325 7433,129
  rectangle net +PWR_S: 7351,209 7543,1721
  rectangle net BAT_IN: 7568,-364 7737,1775
  rectangle net BAT_IN: 7437,2186 7719,2644
  rectangle net BAT2_IN: 6786,1902 7019,2605
  rectangle net BAT2_FIN: 7052,2191 7301,2652
  rectangle net +PWR_S: 2639,1583 7543,1721
  rectangle net BAT_IN: 7629,1628 7737,2645
  rectangle net SGND: 6859,217 7305,1356
  rectangle net +PWR_S: 5805,1585 5989,2158
  rectangle net +PWR_S: 5806,2062 6538,2185
  rectangle net +PWR_S: 6453,1893 6559,2185
  rectangle net SGND: 4940,-1182.91 4992,-1025
  rectangle net SGND: 5944,-1832 6259,-1325
  rectangle net NetC4_1: 4994,-1001 5077,-940
  rectangle net SGND: 5188,-1133 5347,-971
Bottom Layer:
  rectangle net +PWR_S: 2636,1581 2812,2472

## Silkscreen, mask and mechanical layers (free items; w line width, h text height)
Top Overlay:
  circle w10: c896.26,-2759.76 r68.9
  circle w10: c9223.03,704.81 r68.9
  circle w10: c9223.03,-712.51 r68.9
  lines w10: 2289.96,-691.65 2289.96,-1038.11 cw(c2191.53,-1038.11) 2191.53,-1136.53 1326,-1136.53 1326,-2355.43 1037.57,-2355.43 1034.05,-2358.95 1034.05,-2661.17 1034.05,-2827.87 1325.39,-2827.87 1325.39,-3388.5 8711.22,-3388.5 8711.22,-2841.26 8885.13,-2841.26 ccw(c8885.13,-2838) 8888.39,-2838 8888.39,-2358.97 ; 2614.76,-622.36 7786.02,-622.36 7786.02,-254.64 8475,-254.64 8475,-2358.97 8889,-2358.97 ; 1207.28,-535.35 5537.99,-535.35 5537.99,2614.26 1207.28,2614.26 1207.28,-535.35

## Text inside footprints (layer, text, board x,y; h text height)
PA1: Top Overlay "30" at 2611,2448 h30 r180; Top Overlay "29" at 2611,2548 h30 r180; Top Overlay "2" at 4171,2448 h30 r180; Top Overlay "1" at 4171,2548 h30 r180
PB1: Top Overlay "30" at 2611,-427 h30 r180; Top Overlay "29" at 2611,-327 h30 r180; Top Overlay "2" at 4171,-427 h30 r180; Top Overlay "1" at 4171,-327 h30 r180